# KiCad board polygonus.kicad_pcb (continued)
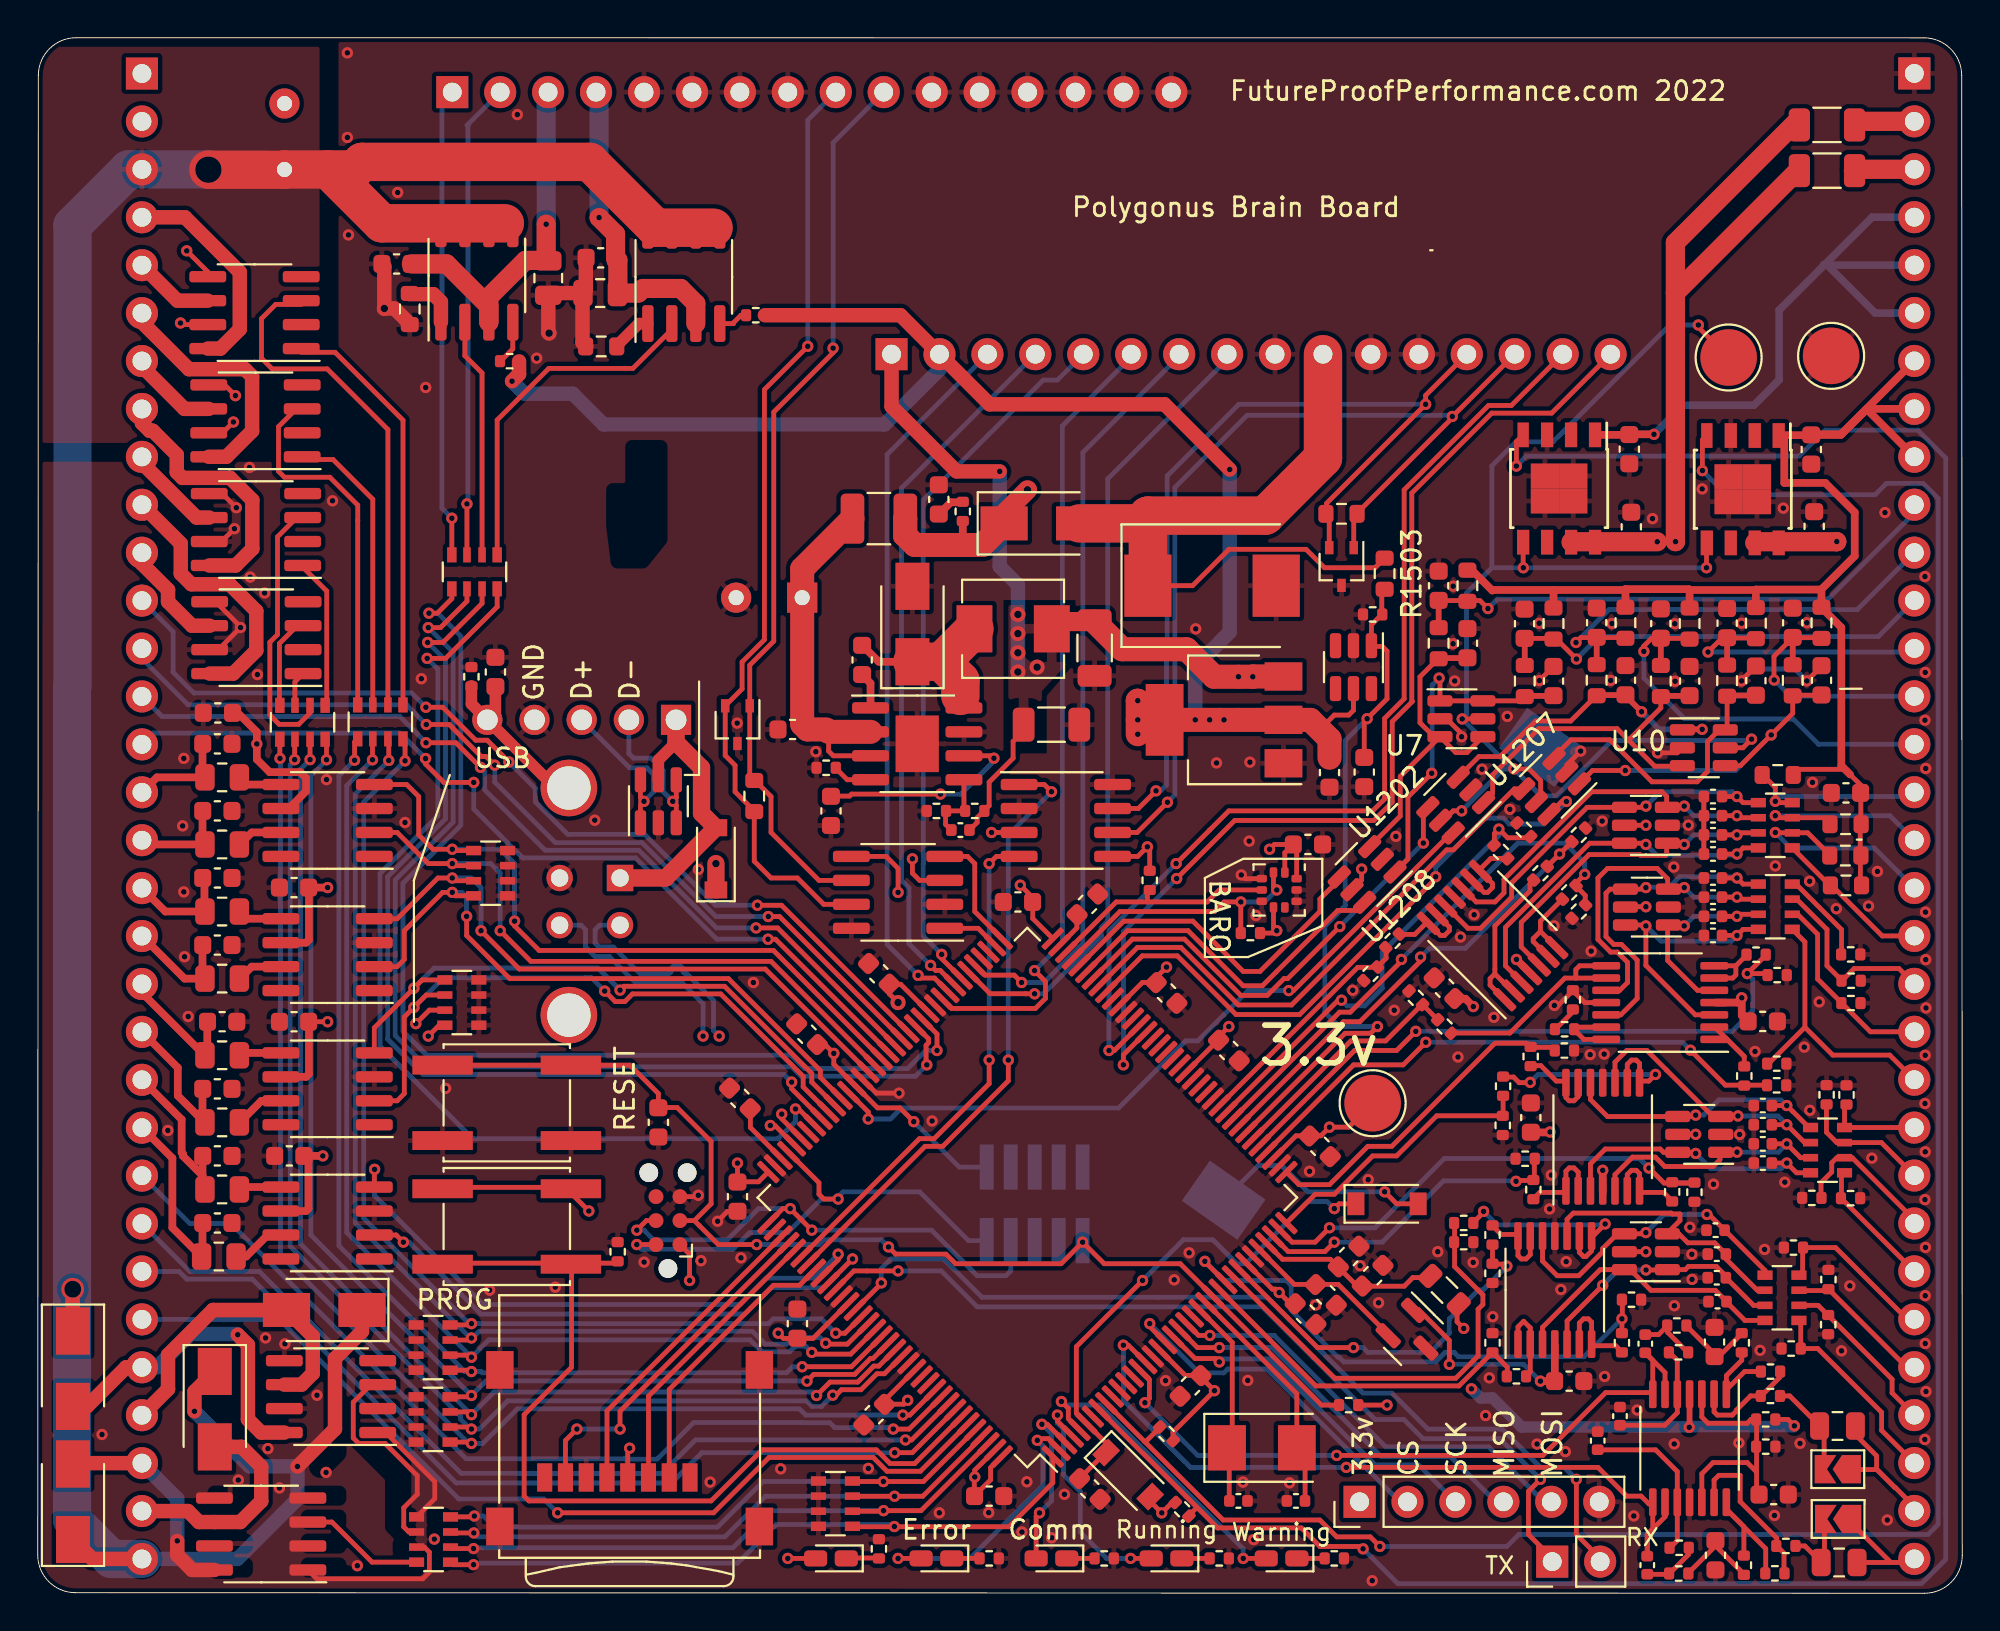
[diagram p0: board, top side]
## Library data of the parts
C1-C16 = -: LCSC: C1525; LCSC_ext: 0
C17 C1001 = -: LCSC: N/A; PN: EEH-AZF1H560B
C20 C701 C801 C901 C904 C1101 C1409 C1501 C1503-C1505 C1508-C1511 C1513 C1516 C1517 C1520 C1604 C1607 C1701 C1704 = -: LCSC: C14663; LCSC_ext: 0
C21 C22 = -: LCSC: C1630; LCSC_ext: 0
C23 C24 C905 = -: LCSC: C13533; LCSC_ext: 0
C25 C26 = -: LCSC: C1567; LCSC_ext: 0
C30 C1506 C1507 C1512 C1515 = -: LCSC: C19666; LCSC_ext: 0; PN: CGA3E2X7R1H103M080AA
C902 C1301 C1302 C1605 C1606 C1608 C1609 C1702 C1703 C1705 C1706 C1903 = -: LCSC: C57112; LCSC_ext: 0
C903 C1006 C1502 = -: LCSC: C19666; LCSC_ext: 0
C906 C1004 = -: LCSC: C13585; LCSC_ext: 0
C1002 C1015-C1018 C1523 = -: LCSC: C15849; LCSC_ext: 0
C1204 C1205 C1207 C1208 C1401-C1408 = -: LCSC: C1588; LCSC_ext: 0
C1518 C1519 = -: LCSC: C23630; LCSC_ext: 0
C1521 C1522 = -: LCSC: C1562; LCSC_ext: 0
C1901 C1902 = -: LCSC: C53175; LCSC_ext: 0
D1 D2 = -: LCSC: C152727; LCSC_ext: 1
D3 D4 D1503 = -: LCSC: C8598; LCSC_ext: 0
D101-D104 D901 D903 = -: LCSC: C8678; LCSC_ext: 0
D1001 = -: LCSC: C151281; LCSC_ext: 1; possible_not_ext: 1
D1501 U1-U4 = -: LCSC: C85364; LCSC_ext: 0
D1502 D1506 = -: LCSC: C72043; LCSC_ext: 0
D1504 = -: LCSC: C2286; LCSC_ext: 0
D1505 = -: LCSC: C72041; LCSC_ext: 0
D1507 = -: LCSC: C72038; LCSC_ext: 0
F101 F102 = -: LCSC: C207035; LCSC_ext: 1; PN: 1206L012WR
FB1501 = -: LCSC: C1015; LCSC_ext: 0
J1 = -: LCSC: C164170; PN: 47219-2001
J2 J105 J107 J108 J1505 JP1 JP2 = -: LCSC: N/A
J1501 = -: LCSC: N/A; PN: 5787834-1
J1502 = -: LCSC: N/A; PN: FTSH-105-01-F-DV-007-K
J1504 = -: LCSC: N/A; PN: UB-20PMFP-LC7002
L1001 = -: LCSC: C408412; LCSC_ext: 1; possible_not_ext: 1
L1002 = -: LCSC: C36828; LCSC_ext: 1; PN: SRN3015TA-2R2M; possible_not_ext: 1
R1-R4 R9-R12 R17-R20 R25-R28 = -: LCSC: C25908; LCSC_ext: 0
R5-R8 R13-R16 R21-R24 R29-R32 R905 R1006 R1007 R1105 R1107 R1502 R1504 R1513 = -: LCSC: C25744; LCSC_ext: 0
R33 R1004 R1106 R1108 = -: LCSC: C22787; LCSC_ext: 0
R34 R35 = -: LCSC: C17673; LCSC_ext: 0
R38 R40 R46 R47 = -: LCSC: C25779; LCSC_ext: 0
R39 R41 = -: LCSC: C11702; LCSC_ext: 0
R42 R43 = -: LCSC: C25752; LCSC_ext: 0
R44 R45 R1501 = -: LCSC: C25741; LCSC_ext: 0
R701-R704 R801-R804 R901-R904 = -: LCSC: C25790; LCSC_ext: 0
R906 = -: LCSC: C25086; LCSC_ext: 0
R907 = -: LCSC: C25752
R908 = -: LCSC: C36871
R1101-R1104 R1201-R1204 R1401-R1408 = -: LCSC: C13167; LCSC_ext: 0
R1503 = -: LCSC: C23254; LCSC_ext: 0
R1508-R1512 = -: LCSC: C25104
R1601-R1604 R1701-R1704 = -: LCSC: C17408; LCSC_ext: 0
R1901 R1902 = -: LCSC: C25741
R1903 R1904 = -: LCSC: C25790
RN201 RN202 RN301 RN302 RN501 RN502 RN1601 RN1701 = -: LCSC: C20197; LCSC_ext: 0
RN701 RN801 RN901 RN1301 = -: LCSC: C29718; LCSC_ext: 0; PN: CAT16-1002F4LF
RN1101 = -: LCSC: C29718; LCSC_ext: 0; PN: CAT16-473J4LF
SW1501 SW1502 = -: LCSC: C318887; LCSC_ext: 1
U5 U701 U801 U901 U1101 = -: LCSC: C50282; LCSC_ext: 1; PN: MCP6004T-I/ST; possible_not_ext: 1
U6 U904 = -: LCSC: C38695; LCSC_ext: 0
U8 = -: LCSC: C130016; LCSC_ext: 1; PN: REF3033
U9 = -: LCSC: C94049; LCSC_ext: 1
U201 U202 U301 U302 U501 U502 = -: LCSC: N/A; PN: VNLD5160TR-E
U902 = -: LCSC: C6186; LCSC_ext: 0
U903 = -: LCSC: C187824; LCSC_ext: 1; possible_not_ext: 0
U1004 U1005 = -: LCSC: N/A; PN: TLS115D0E
U1102 U1103 = -: LCSC: C152451; LCSC_ext: 1; PN: BTS4175; possible_not_ext: 1
U1202 U1207 U1208 = -: LCSC: C10429; LCSC_ext: 1; PN: 74HC2G17GW
U1501 = -: LCSC: C117816; PN: STM32F767ZIT6
U1502 = -: LCSC: C7519; LCSC_ext: 1; PN: USBLC6-2; possible_not_ext: 1
U1602 U1603 U1701 U1702 = -: LCSC: C20551; LCSC_ext: 1; PN: TC4427EOA; possible_not_ext: 1
Y1501 = -: LCSC: C115962; LCSC_ext: 0

## Footprints (pads in the part's own frame, mm; a bottom-side part is the same pattern mirrored in y, then rotated)
BatteryHolder_Keystone_1060_1x2032
  rect 2.6x3.6 smd: 1(-14.65,0) 2(14.65,0)
C_0402_1005Metric
  rrect 0.56x0.62 smd: 1(-0.48,0) 2(0.48,0)
C_0603_1608Metric
  rrect 0.9x0.95 smd: 1(-0.775,0) 2(0.775,0)
C_0805_2012Metric
  rrect 1x1.45 smd: 1(-0.95,0) 2(0.95,0)
C_1206_3216Metric
  rrect 1.15x1.8 smd: 1(-1.475,0) 2(1.475,0)
conn_5_2.5mm
  rect 1.6x1.6 hole 1.1: 1(-5,0)
  round 1.6 hole 1.1: 2(-2.5,0) 3(0,0) 4(2.5,0) 5(5,0)
CP_Radial_D8.0mm_P3.50mm
  rect 1.6x1.6 hole 0.8: 1(0,0)
  round 1.6 hole 0.8: 2(3.5,0)
Crystal_SMD_5032-2Pin_5.0x3.2mm
  rect 2x2.4 smd: 1(-1.85,0) 2(1.85,0)
D_SMA
  rect 2.5x1.8 smd: 1(-2,0) 2(2,0)
D_SMC
  rect 2.5x3.3 smd: 1(-3.4,0) 2(3.4,0)
D_SOD-123
  rect 0.9x1.2 smd: 1(-1.65,0) 2(1.65,0)
Infineon_PG-DSO-8-43
  rect 1.31x0.65 smd: 1(-2.845,1.905) 2(-2.845,0.635) 3(-2.845,-0.635) 5(2.845,-1.905) 6(2.845,-0.635) 7(2.845,0.635) 8(2.845,1.905)
  rect 1.31x0.6 smd: 4(-2.845,-1.905)
  rect 1.325x1.5 smd: 9(-0.662,0.75) 9(-0.662,-0.75) 9(0.662,0.75) 9(0.662,-0.75)
L_0805_2012Metric
  rrect 0.875x1.2 smd: 1(-1.062,0) 2(1.062,0)
L_1210_3225Metric
  rrect 1.25x2.65 smd: 1(-1.4,0) 2(1.4,0)
LED_0603_1608Metric_Castellated
  rrect 1.225x0.85 smd: 1(-0.812,0) 2(0.812,0)
LQFP-144_20x20mm_P0.5mm
  rrect 1.475x0.3 smd: 1(-10.662,8.75) 2(-10.662,8.25) 3(-10.663,7.75) 4(-10.662,7.25) 5(-10.662,6.75) 6(-10.662,6.25) 7(-10.662,5.75) 8(-10.662,5.25) 9(-10.662,4.75) 10(-10.662,4.25) 11(-10.662,3.75) 12(-10.662,3.25) 13(-10.662,2.75) 14(-10.662,2.25) 15(-10.662,1.75) 16(-10.663,1.25) 17(-10.662,0.75) 18(-10.662,0.25) 19(-10.662,-0.25) 20(-10.662,-0.75) 21(-10.663,-1.25) 22(-10.662,-1.75) 23(-10.662,-2.25) 24(-10.662,-2.75) 25(-10.662,-3.25) 26(-10.662,-3.75) 27(-10.662,-4.25) 28(-10.662,-4.75) 29(-10.662,-5.25) 30(-10.662,-5.75) 31(-10.662,-6.25) 32(-10.662,-6.75) 33(-10.662,-7.25) 34(-10.663,-7.75) 35(-10.662,-8.25) 36(-10.662,-8.75) 73(10.662,-8.75) 74(10.662,-8.25) 75(10.663,-7.75) 76(10.662,-7.25) 77(10.662,-6.75) 78(10.662,-6.25) 79(10.662,-5.75) 80(10.662,-5.25) 81(10.662,-4.75) 82(10.662,-4.25) 83(10.662,-3.75) 84(10.662,-3.25) 85(10.662,-2.75) 86(10.662,-2.25) 87(10.662,-1.75) 88(10.663,-1.25) 89(10.662,-0.75) 90(10.662,-0.25) 91(10.662,0.25) 92(10.662,0.75) 93(10.663,1.25) 94(10.662,1.75) 95(10.662,2.25) 96(10.662,2.75) 97(10.662,3.25) 98(10.662,3.75) 99(10.662,4.25) 100(10.662,4.75) 101(10.662,5.25) 102(10.662,5.75) 103(10.662,6.25) 104(10.662,6.75) 105(10.662,7.25) 106(10.663,7.75) 107(10.662,8.25) 108(10.662,8.75)
  rrect 0.3x1.475 smd: 37(-8.75,-10.662) 38(-8.25,-10.662) 39(-7.75,-10.663) 40(-7.25,-10.662) 41(-6.75,-10.662) 42(-6.25,-10.662) 43(-5.75,-10.662) 44(-5.25,-10.662) 45(-4.75,-10.662) 46(-4.25,-10.662) 47(-3.75,-10.662) 48(-3.25,-10.662) 49(-2.75,-10.662) 50(-2.25,-10.662) 51(-1.75,-10.662) 52(-1.25,-10.663) 53(-0.75,-10.662) 54(-0.25,-10.662) 55(0.25,-10.662) 56(0.75,-10.662) 57(1.25,-10.663) 58(1.75,-10.662) 59(2.25,-10.662) 60(2.75,-10.662) 61(3.25,-10.662) 62(3.75,-10.662) 63(4.25,-10.662) 64(4.75,-10.662) 65(5.25,-10.662) 66(5.75,-10.662) 67(6.25,-10.662) 68(6.75,-10.662) 69(7.25,-10.662) 70(7.75,-10.663) 71(8.25,-10.662) 72(8.75,-10.662) 109(8.75,10.662) 110(8.25,10.662) 111(7.75,10.663) 112(7.25,10.662) 113(6.75,10.662) 114(6.25,10.662) 115(5.75,10.662) 116(5.25,10.662) 117(4.75,10.662) 118(4.25,10.662) 119(3.75,10.662) 120(3.25,10.662) 121(2.75,10.662) 122(2.25,10.662) 123(1.75,10.662) 124(1.25,10.663) 125(0.75,10.662) 126(0.25,10.662) 127(-0.25,10.662) 128(-0.75,10.662) 129(-1.25,10.663) 130(-1.75,10.662) 131(-2.25,10.662) 132(-2.75,10.662) 133(-3.25,10.662) 134(-3.75,10.662) 135(-4.25,10.662) 136(-4.75,10.662) 137(-5.25,10.662) 138(-5.75,10.662) 139(-6.25,10.662) 140(-6.75,10.662) 141(-7.25,10.662) 142(-7.75,10.663) 143(-8.25,10.662) 144(-8.75,10.662)
microSD_HC_Wuerth_693072010801
  rect 0.8x1.5 smd: 1(-3.2,1.55) 2(-2.1,1.55) 3(-1,1.55) 4(0.1,1.55) 5(1.2,1.55) 6(2.3,1.55) 7(3.4,1.55) 8(4.5,1.55)
  rect 1.45x2 smd: 9(-6.875,4.15) 9(-6.875,-4.15) 9(6.875,4.15) 9(6.875,-4.15)
MWSA0503
  rect 1.9x2.5 smd: 1(2.05,0) 2(-2.05,0)
PinHeader_1x02_P2.54mm_Vertical
  rect 1.7x1.7 hole 1: 1(0,0)
  oval 1.7x1.7 hole 1: 2(0,-2.54)
PinHeader_1x06_P2.54mm_Vertical
  rect 1.7x1.7 hole 1: 1(0,0)
  oval 1.7x1.7 hole 1: 2(0,-2.54) 3(0,-5.08) 4(0,-7.62) 5(0,-10.16) 6(0,-12.7)
PinHeader_1x16_P2.54mm_Vertical
  rect 1.7x1.7 hole 1: 1(0,0)
  oval 1.7x1.7 hole 1: 2(0,-2.54) 3(0,-5.08) 4(0,-7.62) 5(0,-10.16) 6(0,-12.7) 7(0,-15.24) 8(0,-17.78) 9(0,-20.32) 10(0,-22.86) 11(0,-25.4) 12(0,-27.94) 13(0,-30.48) 14(0,-33.02) 15(0,-35.56) 16(0,-38.1)
PinHeader_1x32_P2.54mm_Vertical
  rect 1.7x1.7 hole 1: 1(0,0)
  oval 1.7x1.7 hole 1: 2(0,-2.54) 3(0,-5.08) 4(0,-7.62) 5(0,-10.16) 6(0,-12.7) 7(0,-15.24) 8(0,-17.78) 9(0,-20.32) 10(0,-22.86) 11(0,-25.4) 12(0,-27.94) 13(0,-30.48) 14(0,-33.02) 15(0,-35.56) 16(0,-38.1) 17(0,-40.64) 18(0,-43.18) 19(0,-45.72) 20(0,-48.26) 21(0,-50.8) 22(0,-53.34) 23(0,-55.88) 24(0,-58.42) 25(0,-60.96) 26(0,-63.5) 27(0,-66.04) 28(0,-68.58) 29(0,-71.12) 30(0,-73.66) 31(0,-76.2) 32(0,-78.74)
PinHeader_2x05_P1.27mm_Vertical_SMD
  rect 2.4x0.74 smd: 1(-1.95,2.54) 2(1.95,2.54) 3(-1.95,1.27) 4(1.95,1.27) 5(-1.95,0) 6(1.95,0) 7(-1.95,-1.27) 8(1.95,-1.27) 9(-1.95,-2.54) 10(1.95,-2.54)
R_0402_1005Metric
  rrect 0.54x0.64 smd: 1(-0.51,0) 2(0.51,0)
R_0603_1608Metric
  rrect 0.8x0.95 smd: 1(-0.825,0) 2(0.825,0)
R_0805_2012Metric
  rrect 1.025x1.4 smd: 1(-0.912,0) 2(0.912,0)
R_1206_3216Metric
  rrect 1.125x1.75 smd: 1(-1.462,0) 2(1.462,0)
R_Array_Convex_4x0603
  rect 0.8x0.5 smd: 1(-0.9,1.2) 4(-0.9,-1.2) 5(0.9,-1.2) 8(0.9,1.2)
  rect 0.8x0.4 smd: 2(-0.9,0.4) 3(-0.9,-0.4) 6(0.9,-0.4) 7(0.9,0.4)
SOIC-8-1EP_3.9x4.9mm_P1.27mm_EP2.29x3mm
  rrect 0.92x1.21 smd: (-0.57,0.75) (-0.57,-0.75) (0.57,0.75) (0.57,-0.75)
  rrect 1.95x0.6 smd: 1(-2.475,1.905) 2(-2.475,0.635) 3(-2.475,-0.635) 4(-2.475,-1.905) 5(2.475,-1.905) 6(2.475,-0.635) 7(2.475,0.635) 8(2.475,1.905)
  rect 2.29x3 smd: 9(0,0)
SOIC-8_3.9x4.9mm_P1.27mm
  rrect 1.95x0.6 smd: 1(-2.475,1.905) 2(-2.475,0.635) 3(-2.475,-0.635) 4(-2.475,-1.905) 5(2.475,-1.905) 6(2.475,-0.635) 7(2.475,0.635) 8(2.475,1.905)
SolderJumper-2_P1.3mm_Open_TrianglePad1.0x1.5mm
  custom 1.5x1.5 smd: 1(-0.725,0)
  custom 1.15x1.5 smd: 2(0.725,0)
SOT-23
  rrect 1.475x0.6 smd: 1(-0.938,0.95) 2(-0.938,-0.95) 3(0.938,0)
SOT-23-6
  rrect 1.325x0.6 smd: 1(-1.137,0.95) 2(-1.137,0) 3(-1.137,-0.95) 4(1.137,-0.95) 5(1.137,0) 6(1.137,0.95)
SOT-223-3_TabPin2
  rect 2x1.5 smd: 1(-3.15,2.3) 2(-3.15,0) 3(-3.15,-2.3)
  rect 2x3.8 smd: 2(3.15,0)
SOT-323_SC-70
  rect 0.7x0.45 smd: 1(-1,0.65) 2(-1,-0.65) 3(1,0)
ST_HLGA-10_2.5x2.5mm_P0.6mm_LayoutBorder3x2y
  rrect 0.55x0.4 smd: 1(-0.925,0.3) 2(-0.925,-0.3) 6(0.925,-0.3) 7(0.925,0.3)
  rrect 0.4x0.55 smd: 3(-0.6,-0.925) 4(0,-0.925) 5(0.6,-0.925) 8(0.6,0.925) 9(0,0.925) 10(-0.6,0.925)
SW_SPST_EVQQ2
  rect 3.2x1 smd: 1(-3.4,2) 1(3.4,2) 2(-3.4,-2) 2(3.4,-2)
Tag-Connect_TC2030-IDC-NL_2x03_P1.27mm_Vertical
  round 0.991 hole 0.991 unplated: (-2.54,0) (2.54,1.016) (2.54,-1.016)
  round 0.787 smd: 1(-1.27,-0.635) 2(-1.27,0.635) 3(0,-0.635) 4(0,0.635) 5(1.27,-0.635) 6(1.27,0.635)
TestPoint_Pad_D3.0mm
  round 3 smd: 1(0,0)
TSSOP-14_4.4x5mm_P0.65mm
  rrect 1.475x0.4 smd: 1(-2.862,1.95) 2(-2.862,1.3) 3(-2.862,0.65) 4(-2.862,0) 5(-2.862,-0.65) 6(-2.862,-1.3) 7(-2.862,-1.95) 8(2.862,-1.95) 9(2.862,-1.3) 10(2.862,-0.65) 11(2.862,0) 12(2.862,0.65) 13(2.862,1.3) 14(2.862,1.95)
USB_B_TE_5787834_Vertical
  rect 1.4x1.4 hole 0.92: 1(0,0)
  round 1.4 hole 0.92: 2(-2.5,0) 3(-2.5,-3.2) 4(0,-3.2)
  round 3 hole 2.3: 5(-7.27,-2.71) 5(4.77,-2.71)

## Nets
+3V3: C20.1 C903.1 C1503.2 C1504.2 C1505.2 C1506.2 C1507.2 C1508.2 C1509.2 C1510.2 C1511.2 C1512.2 C1513.2 C1515.2 D4.2 D1501.5 D1502.2 FB1501.1 J1.4 J4.1 J6.2 J108.1 J1502.1 J1505.1 R39.1 R40.2 R41.1 R1006.2 R1007.2 R1105.2 R1107.2 R1502.2 SW1502.2 U5.4 U6.5 U9.1 U9.6 U9.10 U902.2 U904.5 U1501.17 U1501.30 U1501.39 U1501.52 U1501.62 U1501.72 U1501.84 U1501.95 U1501.108 U1501.121 U1501.131 U1501.143 U1501.144
+5V: C701.1 C801.1 C901.1 C905.1 C906.1 C1004.1 C1101.1 C1604.2 C1607.2 C1701.2 C1704.2 D1503.1 J6.1 J107.1 L1001.2 R908.2 U1.5 U2.5 U3.5 U4.5 U6.3 U7.5 U8.1 U10.5 U701.4 U801.4 U901.4 U902.3 U904.3 U1004.5 U1005.5 U1101.4 U1202.5 U1207.5 U1208.5 U1602.6 U1603.6 U1701.6 U1702.6
/5V_SENSOR_1: C1016.1 C1409.2 J3.7 J3.8 J3.9 R1101.1 R1102.1 R1103.1 R1104.1 R1201.1 R1203.1 R1401.1 R1403.1 R1405.1 R1407.1 U1004.1
/5V_SENSOR_2: C1018.1 J3.4 J3.5 J3.6 U1005.1
/12V_MR: C17.1 D101.1 D102.1 D103.1 D104.1 J5.3 J5.32 U1102.5 U1102.6 U1102.7 U1102.8 U1103.5 U1103.6 U1103.7 U1103.8
/12V_PROT: C1015.1 C1017.1 D903.1 F101.2 F102.1 L1002.1 R906.1 U1004.7 U1004.8 U1005.7 U1005.8
/12V_RAW: D903.2 D1001.1 J6.10 R1503.1
/AV1: J3.30 R701.1 RN701.1
/AV2: J3.29 R702.1 RN701.2
/AV3: J3.28 R703.1 RN701.3
/AV4: J3.27 R704.1 RN701.4
/AV5: J3.26 R801.1 RN801.1
/AV6: J3.25 R802.1 RN801.2
/AV7: J3.24 R803.1 RN801.3
/AV8: J3.23 R804.1 RN801.4
/AV9: J3.22 R901.1 RN901.1
/AV10: J3.21 R902.1 RN901.2
/AV11: J3.20 R903.1 RN901.3
/mcu/5V_SENSOR_1_PG: R1006.1 U1004.4 U1501.9
/mcu/5V_SENSOR_2_PG: R1007.1 U1005.4 U1501.8
/mcu/12V_DIVIDED: C1523.1 D1501.1 R1503.2 R1504.1 U1501.43
/mcu/AV1: R1.1 R5.2 U1501.26
/mcu/AV2: R2.1 R6.2 U1501.27
/mcu/AV3: R3.1 R7.2 U1501.28
/mcu/AV4: R4.1 R8.2 U1501.29
/mcu/AV5: R9.1 R13.2 U1501.34
/mcu/AV6: R10.1 R14.2 U1501.35
/mcu/AV7: R11.1 R15.2 U1501.36
/mcu/AV8: R12.1 R16.2 U1501.37
/mcu/AV9: R17.1 R21.2 U1501.40
/mcu/AV10: R18.1 R22.2 U1501.41
/mcu/AV11: R19.1 R23.2 U1501.42
/mcu/VDDA: C1501.1 C1502.1 FB1501.2 U1501.33
GND: BT1.2 C1.2 C2.2 C3.2 C4.2 C5.2 C6.2 C7.2 C8.2 C9.2 C10.2 C11.2 C12.2 C13.2 C14.2 C15.2 C16.2 C17.2 C20.2 C21.1 C22.1 C25.1 C26.1 C30.2 C701.2 C801.2 C901.2 C902.2 C903.2 C906.2 C1001.2 C1002.2 C1004.2 C1006.2 C1015.2 C1016.2 C1017.2 C1018.2 C1101.2 C1204.2 C1205.2 C1207.2 C1208.2 C1301.2 C1302.2 C1401.2 C1402.2 C1403.2 C1404.2 C1405.2 C1406.2 C1407.2 C1408.2 C1409.1 C1501.2 C1502.2 C1503.1 C1504.1 C1505.1 C1506.1 C1507.1 C1508.1 C1509.1 C1510.1 C1511.1 C1512.1 C1513.1 C1515.1 C1516.2 C1517.1 C1518.2 C1519.2 C1520.2 C1521.2 C1522.2 C1523.2 C1604.1 C1605.2 C1606.2 C1607.1 C1608.2 C1609.2 C1701.1 C1702.2 C1703.2 C1704.1 C1705.2 C1706.2 C1903.1 D1.3 D2.3 D901.2 D1001.2 D1501.2 J1.6 J1.9 J3.1 J4.5 J5.1 J5.2 J6.9 J6.11 J6.12 J7.5 J7.6 J7.7 J7.8 J7.11 J7.12 J7.13 J7.14 J7.15 J7.16 J105.1 J1501.4 J1502.3 J1502.5 J1502.9 J1504.4 J1505.6 R5.1 R6.1 R7.1 R8.1 R13.1 R14.1 R15.1 R16.1 R21.1 R22.1 R23.1 R24.1 R29.1 R30.1 R31.1 R32.1 R34.2 R35.2 R38.2 R701.2 R702.2 R703.2 R704.2 R801.2 R802.2 R803.2 R804.2 R901.2 R902.2 R903.2 R904.2 R905.2 R907.2 R1106.2 R1108.2 R1501.2 R1504.2 R1508.1 R1509.1 R1510.1 R1511.1 R1512.1 R1513.2 RN202.1 RN202.2 RN202.3 RN202.4 RN302.1 RN302.2 RN302.3 RN302.4 RN502.1 RN502.2 RN502.3 RN502.4 RN1601.1 RN1601.2 RN1601.3 RN1601.4 RN1701.1 RN1701.2 RN1701.3 RN1701.4 SW1501.2 U1.2 U2.2 U3.2 U4.2 U5.11 U6.2 U6.8 U7.2 U8.3 U9.3 U9.5 U9.8 U9.9 U10.2 U201.5 U201.7 U202.5 U202.7 U301.5 U301.7 U302.5 U302.7 U501.5 U501.7 U502.5 U502.7 U701.11 U801.11 U901.11 U902.1 U903.7 U903.9 U904.2 U904.8 U1004.3 U1004.9 U1005.3 U1005.9 U1101.11 U1202.2 U1207.2 U1208.2 U1501.16 U1501.31 U1501.38 U1501.48 U1501.51 U1501.61 U1501.83 U1501.94 U1501.107 U1501.120 U1501.130 U1502.2 U1602.3 U1603.3 U1701.3 U1702.3
/AT1: J3.19 R1101.2 RN1101.1
/AT2: J3.18 R1102.2 RN1101.2
/AT3: J3.17 R1103.2 RN1101.3
/AT4: J3.16 R1104.2 RN1101.4
/CAN2+: D2.2 J7.9 R33.1 U6.7
/CAN2-: D2.1 J7.10 R33.2 U6.6
/CAN+: D1.2 J6.13 R1004.1 U904.7
/CAN-: D1.1 J6.14 R1004.2 U904.6
/DIGITAL_1: C1401.1 J3.15 R1401.2 R1402.2
/DIGITAL_2: C1403.1 J3.14 R1403.2 R1404.2
/DIGITAL_3: C1405.1 J3.13 R1405.2 R1406.2
/DIGITAL_4: C1407.1 J3.12 R1407.2 R1408.2
/DIGITAL_5: C1204.1 J3.11 R1201.2 R1202.2
/DIGITAL_6: C1207.1 J3.10 R1203.2 R1204.2
/ETB1_DIR: J6.5 U1501.79
/ETB1_DIS: J6.4 U1501.80
/ETB1_PWM: J6.3 U1501.81
/ETB2_DIR: J6.8 U1501.78
/ETB2_DIS: J6.7 U1501.77
/ETB2_PWM: J6.6 U1501.82
/highside_quad/IN1: RN1301.4 U1501.101
/highside_quad/IN2: RN1301.3 U1501.100
/highside_quad/IN3: RN1301.2 U1501.86
/highside_quad/IN4: RN1301.1 U1501.85
/HS1: C1301.1 J7.4 R34.1 U1102.3
/HS2: C1302.1 J7.3 R35.1 U1103.3
/HS3: J7.2 RN1301.7
/HS4: J7.1 RN1301.8
/IGN1: C1605.1 J5.23 R1601.1
/ign1/IN1: RN1601.8 U1501.118 U1602.2
/ign1/IN2: RN1601.7 U1501.117 U1602.4
/ign1/IN3: RN1601.6 U1501.99 U1603.2
/ign1/IN4: RN1601.5 U1501.98 U1603.4
/IGN2: C1606.1 J5.22 R1602.1
/ign2/IN1: RN1701.8 U1501.97 U1701.2
/ign2/IN2: RN1701.7 U1501.93 U1701.4
/ign2/IN3: RN1701.6 U1501.92 U1702.2
/ign2/IN4: RN1701.5 U1501.91 U1702.4
/IGN3: C1608.1 J5.21 R1603.1
/IGN4: C1609.1 J5.20 R1604.1
/IGN5: C1702.1 J5.19 R1701.1
/IGN6: C1703.1 J5.18 R1702.1
/IGN7: C1705.1 J5.17 R1703.1
/IGN8: C1706.1 J5.16 R1704.1
/IGN9: J5.15 U1501.90
/IGN10: J5.14 U1501.89
/IGN11: J5.13 U1501.88
/IGN12: J5.12 U1501.87
/knock/FILTERED_1: C23.2 U5.6 U5.7 U1501.14
/knock/FILTERED_2: C24.2 U5.8 U5.9 U1501.15
/knock/V_mid: C1903.2 R38.1 R40.1 U5.3 U5.12
/KNOCK_1: C1901.2 J3.31 JP1.1
/KNOCK_2: C1902.2 J3.32 JP2.1
/lowside_quad1/IN1: RN201.4 RN202.8 U1501.123
/lowside_quad1/IN2: RN201.3 RN202.7 U1501.124
/lowside_quad1/IN3: RN201.2 RN202.6 U1501.125
/lowside_quad1/IN4: RN201.1 RN202.5 U1501.126
/lowside_quad2/IN1: RN301.4 RN302.8 U1501.127
/lowside_quad2/IN2: RN301.3 RN302.7 U1501.128
/lowside_quad2/IN3: RN301.2 RN302.6 U1501.129
/lowside_quad2/IN4: RN301.1 RN302.5 U1501.134
/lowside_quad4/IN1: RN501.4 RN502.8 U1501.140
/lowside_quad4/IN2: RN501.3 RN502.7 U1501.141
/lowside_quad4/IN3: RN501.2 RN502.6 U1501.142
/lowside_quad4/IN4: RN501.1 RN502.5 U1501.1
/LS1: J5.4 U201.8
/LS2: J5.5 U201.6
/LS3: J5.6 U202.8
/LS4: J5.7 U202.6
/LS5: J5.8 U301.8
/LS6: J5.9 U301.6
/LS7: J5.10 U302.8
/LS8: J5.11 U302.6
/LS9: J5.24 U1501.135
/LS10: J5.25 U1501.136
/LS11: J5.26 U1501.137
/LS12: J5.27 U1501.139
/LS13: D103.2 J5.28 U501.8
/LS14: D101.2 J5.29 U501.6
/LS15: D104.2 J5.30 U502.8
/LS16: D102.2 J5.31 U502.6
/mcu/AT1: R25.1 R29.2 U1501.44
/mcu/AT2: R26.1 R30.2 U1501.45
/mcu/AT3: R27.1 R31.2 U1501.46
/mcu/AT4: R28.1 R32.2 U1501.47
/mcu/AUX_SPI_CS: J1505.2 U1501.18
/mcu/AUX_SPI_MISO: J1505.4 U1501.20
/mcu/AUX_SPI_MOSI: J1505.5 U1501.21
/mcu/AUX_SPI_SCK: J1505.3 U1501.19
/mcu/BARO_SCL: R41.2 U9.2 U1501.69
/mcu/BARO_SDA: R39.2 U9.4 U1501.70
/mcu/BOOT0: R1513.1 SW1502.1 U1501.138
/mcu/CAN2_RX: U6.4 U1501.73
/mcu/CAN2_TX: U6.1 U1501.74
/mcu/CAN_RX: U904.4 U1501.114
/mcu/CAN_TX: U904.1 U1501.115
/mcu/DIGITAL1: U1202.6 U1501.96
/mcu/DIGITAL2: U1207.6 U1501.64
/mcu/DIGITAL3: U1207.4 U1501.65
/mcu/DIGITAL4: U1208.6 U1501.67
/mcu/DIGITAL5: U1202.4 U1501.66
/mcu/DIGITAL6: U1208.4 U1501.68
/mcu/LED1: D1504.2 U1501.2
/mcu/LED2: D1505.2 U1501.3
/mcu/LED3: D1506.2 U1501.4
/mcu/LED4: D1507.2 U1501.5
/mcu/nRESET: C1517.2 J4.3 J1502.10 R1502.1 SW1501.1 U1501.25
/mcu/SD_CS: J1.2 U1501.116
/mcu/SD_MISO: J1.7 U1501.112
/mcu/SD_MOSI: J1.3 U1501.113
/mcu/SD_SCK: J1.5 U1501.111
/mcu/SWCLK: J4.4 J1502.4 U1501.109
/mcu/SWDIO: J4.2 J1502.2 U1501.105
/mcu/UART_RX: J2.2 U1501.122
/mcu/UART_TX: J2.1 U1501.119
/quad_analog3/IN4: R904.1 RN901.4
/quad_analog3/OUT4: R20.1 R24.2
/USB_D+: J1501.3 J1504.3 U1501.104 U1502.1 U1502.6
/USB_D-: J1501.2 J1504.2 U1501.103 U1502.3 U1502.4
/USB_SHIELD: C1516.1 J1501.5 J1504.5 R1501.1
/VR1+: J6.16 U1501.58
/VR2+: J6.15 U1501.59
Net-(BT1-Pad1): BT1.1 D3.2
Net-(C1-Pad1): C1.1 RN701.8 U1.6 U701.3
Net-(C2-Pad1): C2.1 RN701.7 U1.1 U701.5
Net-(C3-Pad1): C3.1 RN701.6 U1.3 U701.10
Net-(C4-Pad1): C4.1 RN701.5 U1.4 U701.12
Net-(C5-Pad1): C5.1 RN801.8 U2.6 U801.3
Net-(C6-Pad1): C6.1 RN801.7 U2.1 U801.5
Net-(C7-Pad1): C7.1 RN801.6 U2.3 U801.10
Net-(C8-Pad1): C8.1 RN801.5 U2.4 U801.12
Net-(C9-Pad1): C9.1 RN901.8 U3.6 U901.3
Net-(C10-Pad1): C10.1 RN901.7 U3.1 U901.5
Net-(C11-Pad1): C11.1 RN901.6 U3.3 U901.10
Net-(C12-Pad1): C12.1 RN901.5 U3.4 U901.12
Net-(C13-Pad1): C13.1 RN1101.8 U4.6 U1101.3
Net-(C14-Pad1): C14.1 RN1101.7 U4.1 U1101.5
Net-(C15-Pad1): C15.1 RN1101.6 U4.3 U1101.10
Net-(C16-Pad1): C16.1 RN1101.5 U4.4 U1101.12
Net-(C21-Pad2): C21.2 R42.1 R44.2
Net-(C22-Pad2): C22.2 R43.1 R45.2
Net-(C23-Pad1): C23.1 R44.1 R46.2
Net-(C24-Pad1): C24.1 R45.1 R47.2
Net-(C25-Pad2): C25.2 R46.1 U5.5
Net-(C26-Pad2): C26.2 R47.1 U5.10
Net-(C30-Pad1): C30.1 D3.1 D4.1 U1501.6
Net-(C902-Pad1): C902.1 U903.6
Net-(C904-Pad1): C904.1 U903.1
Net-(C904-Pad2): C904.2 D901.1 L1001.1 U903.8
Net-(C905-Pad2): C905.2 R907.1 R908.1 U903.5
Net-(C1001-Pad1): C1001.1 C1002.1 L1002.2 U903.2 U903.3
Net-(C1006-Pad1): C1006.1 R906.2
Net-(C1205-Pad1): C1205.1 R1202.1 U10.1 U1202.3
Net-(C1208-Pad1): C1208.1 R1204.1 U7.3 U7.4 U1208.3
Net-(C1402-Pad1): C1402.1 R1402.1 U10.3 U1202.1
Net-(C1404-Pad1): C1404.1 R1404.1 U10.4 U1207.1
Net-(C1406-Pad1): C1406.1 R1406.1 U10.6 U1207.3
Net-(C1408-Pad1): C1408.1 R1408.1 U7.1 U7.6 U1208.1
Net-(C1518-Pad1): C1518.1 U1501.71
Net-(C1519-Pad1): C1519.1 U1501.106
Net-(C1520-Pad1): C1520.1 U8.2 U1501.32
Net-(C1521-Pad1): C1521.1 U1501.23 Y1501.1
Net-(C1522-Pad1): C1522.1 U1501.24 Y1501.2
Net-(C1901-Pad1): C1901.1 JP1.2 R1901.2
Net-(C1902-Pad1): C1902.1 JP2.2 R1902.2
Net-(D1502-Pad1): D1502.1 R1508.2
Net-(D1503-Pad2): D1503.2 J1501.1 J1504.1 U1502.5
Net-(D1504-Pad1): D1504.1 R1509.2
Net-(D1505-Pad1): D1505.1 R1510.2
Net-(D1506-Pad1): D1506.1 R1511.2
Net-(D1507-Pad1): D1507.1 R1512.2
Net-(F101-Pad1): F101.1 J3.2
Net-(F102-Pad2): F102.2 J3.3
Net-(R1-Pad2): R1.2 U701.1 U701.2
Net-(R2-Pad2): R2.2 U701.6 U701.7
Net-(R3-Pad2): R3.2 U701.8 U701.9
Net-(R4-Pad2): R4.2 U701.13 U701.14
Net-(R9-Pad2): R9.2 U801.1 U801.2
Net-(R10-Pad2): R10.2 U801.6 U801.7
Net-(R11-Pad2): R11.2 U801.8 U801.9
Net-(R12-Pad2): R12.2 U801.13 U801.14
Net-(R17-Pad2): R17.2 U901.1 U901.2
Net-(R18-Pad2): R18.2 U901.6 U901.7
Net-(R19-Pad2): R19.2 U901.8 U901.9
Net-(R20-Pad2): R20.2 U901.13 U901.14
Net-(R25-Pad2): R25.2 U1101.1 U1101.2
Net-(R26-Pad2): R26.2 U1101.6 U1101.7
Net-(R27-Pad2): R27.2 U1101.8 U1101.9
Net-(R28-Pad2): R28.2 U1101.13 U1101.14
Net-(R905-Pad1): R905.1 U903.4
Net-(R1105-Pad1): R1105.1 U1102.4
Net-(R1106-Pad1): R1106.1 U1102.1
Net-(R1107-Pad1): R1107.1 U1103.4
Net-(R1108-Pad1): R1108.1 U1103.1
Net-(R1601-Pad2): R1601.2 U1602.7
Net-(R1602-Pad2): R1602.2 U1602.5
Net-(R1603-Pad2): R1603.2 U1603.7
Net-(R1604-Pad2): R1604.2 U1603.5
Net-(R1701-Pad2): R1701.2 U1701.7
Net-(R1702-Pad2): R1702.2 U1701.5
Net-(R1703-Pad2): R1703.2 U1702.7
Net-(R1704-Pad2): R1704.2 U1702.5
Net-(R1901-Pad1): R1901.1 R1903.2 U5.2
Net-(R1902-Pad1): R1902.1 R1904.2 U5.13
Net-(R1903-Pad1): R42.2 R1903.1 U5.1
Net-(R1904-Pad1): R43.2 R1904.1 U5.14
Net-(RN201-Pad5): RN201.5 U201.1
Net-(RN201-Pad6): RN201.6 U201.3
Net-(RN201-Pad7): RN201.7 U202.1
Net-(RN201-Pad8): RN201.8 U202.3
Net-(RN301-Pad5): RN301.5 U301.1
Net-(RN301-Pad6): RN301.6 U301.3
Net-(RN301-Pad7): RN301.7 U302.1
Net-(RN301-Pad8): RN301.8 U302.3
Net-(RN501-Pad5): RN501.5 U501.1
Net-(RN501-Pad6): RN501.6 U501.3
Net-(RN501-Pad7): RN501.7 U502.1
Net-(RN501-Pad8): RN501.8 U502.3
Net-(RN1301-Pad5): RN1301.5 U1102.2
Net-(RN1301-Pad6): RN1301.6 U1103.2

Pads without a net: D1501 3 4 6; J1 1 8; J4 6; J1502 6 7 8; U9 7; U201 2 4; U202 2 4; U301 2 4; U302 2 4; U501 2 4; U502 2 4; U1004 2 6; U1005 2 6; U1501 7 10 11 12 13 22 49 50 53 54 55 56 57 60 63 75 76 102 110 132 133; U1602 1 8; U1603 1 8; U1701 1 8; U1702 1 8

## Via types
v1: diameter 0.599, hole 0.3, Top to Bottom, 440 vias
v2: diameter 0.8, hole 0.4, Top to Bottom, 10 vias
v3: diameter 0.6, hole 0.3, Top to Bottom, 24 vias
v4: diameter 1.2, hole 0.9, Top to Bottom, 1 via
v5: diameter 2, hole 1.4, Top to Bottom, 1 via

## Routing (per net, layer and track width the routed paths; a pad name or vN(x,y) marks a point on that pad's centre or on a via; arc(x,y) is an arc through that point)
+3V3: length 203
  Top w0.254: U904.5 58.29,39.06 v3(58.79,39.57) 58.92,39.44 58.92,38.27 ; U1501.17 60.8,11.55 61.64,11.55 61.64,11.45 v3(62.35,10.74) 60.15,8.54 60.15,8.11 ; v3(71.49,9.98) 69.95,9.98 ; U1501.143 49.65,6.52 v1(49.65,6.17) 49.62,6.14 49.62,5.15 50.49,6.01 50.49,6.66 U1501.144 ; 67.43,46.3 67.94,45.79 68.7,46.55 69.46,46.55 69.72,46.81 69.72,47.99 ; U9.6 65.48,35.29 v1(65.65,35.12) 65.52,34.99 64.74,34.99 ; 66.51,39.69 65.52,39.69 v1(65.27,39.44) ; 66.51,39.69 66.7,39.5 U9.10 ; 66.51,39.69 66.08,39.26 U9.1 ; v1(52.06,37.53) 52.72,36.87 52.72,35.76 U1501.72 ; v1(29.2,20.26) 28.25,21.21 SW1502.2 28.18,21.52 21.53,21.52 SW1502.2 ; v3(63.11,30.04) 62.55,29.48 62.55,29.33 62.55,29.33 U1501.52 ; J1.4 31.26,7.59 v1(31.36,7.69) ; v1(34.54,16.58) 34.54,17.98 J4.1 ; U1501.62 58.53,32.38 59.25,32.38 59.25,32.63 v3(59.81,33.19) ; U1501.131 44.87,10.23 44.87,10.02 45.89,10.02 v1(46.09,10.23) ; v3(93.08,8.87) 92.74,9.21 92.04,9.21 ; v1(45.59,37.15) 45.59,38.42 44.95,39.06 U6.5 ; U1501.30 65.42,16.12 65.6,16.12 v3(65.78,15.94) 66.36,15.36 66.62,15.36 ; J108.1 69.46,24.71 v3(68.45,24.71) 67.99,24.25 66.67,24.25 U1501.39 ; v1(75.56,14.04) 75.2,14.39 75.2,15.41 ; 41.32,29.08 41.72,29.08 v1(42.18,28.62) 42.18,28.04 U1501.95 44.5,25.73 45.68,25.73 v1(46.42,25) ; v2(45.59,31.31) 45.13,31.77 45.13,32.28 45.73,32.28 U1501.84 ; D4.2 58.94,4.87 v1(59.56,4.26) 60.09,4.79 60.29,4.79 ; U1501.121 41.07,13.51 39.51,13.51 v1(39.24,13.79) ; U1501.108 38.19,21.81 37.08,21.81 v1(37.08,22.8) ; D1502.2 v1(39.74,1.85)
  Top w0.305: 87.52,10.64 87.52,8.82 v3(87.51,8.8)
  Top w0.762: v1(63.16,59.57) 59.7,63.02 50.44,63.02 J6.2 45.71,67.75 38.53,67.75 ; 25.5,65.3 25.5,64.62 v1(25.13,64.25)
  Top w1.27: 68.45,44.29 68.45,45.28 67.43,46.3 U902.2 U902.2 59.3,46.3 v1(58.29,47.31) v1(58.29,46.3) v1(58.29,45.54)
  Bottom w0.254: J1502.1 48.82,22.59 v1(46.42,25)
  Bottom w0.61: v3(93.08,8.87) 93.04,8.83 87.54,8.83 v3(87.51,8.8) 87.49,8.82 78.62,8.82 77.09,10.35 76.45,10.35 v3(75.97,10.84)
  Bottom w0.762: v1(63.16,59.57) 63.16,50.95 61.33,49.13 v1(61.33,46.3) v1(62.86,46.3) ; J6.2 47.78,64.87 44.87,61.96 29.98,61.96 28.35,63.59 25.79,63.59 v1(25.13,64.25)
  vias: v1(62.1,46.3)
+5V: length 169.6
  Top w0.254: v1(88.42,54.36) 88.42,55.66 U1004.5 ; v1(87.99,67.23) 87.99,67.11 J107.1 ; v1(78.71,54.36) 78.71,54.37 U1005.5 ; U1207.5 79.63,42.19 79.63,43.07 79.02,43.69 v1(78.22,43.69) ; 49.37,40.46 49.78,40.86 49.78,41.11 50.41,41.75 50.41,43 51.68,44.27 51.68,45.15 52.31,45.79 52.31,46.04 ; U1208.5 70.15,37.81 v1(70.15,38.39) ; 72.85,15.04 73.16,15.04 74.8,13.4 v1(74.8,12.13) ; U904.3 v1(50.54,40.33) ; U7.5 76.57,46.35 v1(75.48,46.35) ; 84.11,18.1 v1(85.21,18.1) ; v1(87.85,24.33) 86.94,24.33 86.93,24.32 ; v1(85.21,36.39) 84.18,36.39 84.16,36.37 ; v1(90.81,45.27) 90.35,44.82 U10.5 ; 74.23,40.71 74.99,41.47 v1(75.45,41.47) ; v1(46.35,38.93) 46.35,38.17 46.73,37.79 48.06,37.79 ; 84.11,40.71 v1(85.21,40.71) ; 14.37,30.3 v1(15.36,30.3)
  Top w0.406: v1(79.62,11.25) 80.36,11.25 80.38,11.27 80.38,13.12 ; v1(15.36,37.41) 14.37,37.41 14.37,34.64 14.22,34.49 U1701.6 ; 82.92,21.25 v1(82.92,22.42) ; 14.37,30.3 14.37,27.53 14.22,27.37 U1603.6 ; 12.88,20.26 14.22,20.26 14.34,20.39 14.34,22.95 14.11,23.18 v1(15.11,23.18) ; 88.92,31.31 90.04,31.31 v1(90.29,31.57) 90.29,30.64 90.62,30.31 ; U1702.6 13.3,41.6 14.21,42.51 14.21,43.23 13.92,43.52 12.29,43.52 11.61,44.2 v1(11.61,45.02) 11.61,45.66 10.6,46.67 10.33,46.67 ; v1(80.13,24.45) 80.1,24.43 79.11,24.43 ; 75.1,31.52 75.65,31.52 v1(76.07,31.1) ; 79.17,32.78 v1(78.35,33.6)
  Top w0.762: v1(50.97,59.47) 48.69,59.47 45.24,62.91 J6.1
  Top w0.914: D1503.1 v2(35.93,38.68)
  Top w1.016: L1001.2 54.12,51.51 56,51.51
  Top w1.27: 56,51.51 57.47,50.04 60.87,50.04 62.33,48.58 v1(63.62,48.58) v1(64.38,48.58) 64.4,48.6 U902.3
  Bottom w0.254: v1(79.62,11.25) 78.73,12.13 v1(74.8,12.13) ; 77.04,54.36 v1(78.71,54.36) v1(88.42,54.36) ; 77.04,54.36 77.04,59.76 78.32,61.04 80.29,61.04 86.48,67.23 v1(87.99,67.23) ; 77.04,54.36 75.71,53.02 75.71,46.58 v1(75.48,46.35) 78.13,43.69 v1(78.22,43.69) ; v1(78.22,43.69) 79.64,42.27 80.49,42.27 83.42,45.21 90.74,45.21 v1(90.81,45.27) ; v1(78.22,43.69) 77.67,43.69 v1(75.45,41.47)
  Bottom w0.762: v2(51.94,48.84) 51.94,53.46 50.97,54.42 v1(50.97,59.47)
  vias: v2(51.94,51.89) v2(51.94,50.87) v2(51.94,49.85) v2(52.95,49.09)
/5V_SENSOR_1: length 76.8
  Top w0.254: 96.6,37.52 96.57,37.55 96.57,39.1 96.57,39.1 96.57,40.75 96.6,40.79 96.6,42.83 95.76,43.67 93.28,43.67 92.98,43.38
  Top w0.406: 84.13,52.23 84.13,53.22 ; 84.13,53.22 87.48,53.22 87.53,53.18 ; 84.13,53.22 84.08,53.18 80.31,53.18 ; 96.03,43.4 95.56,43.87 95.56,51.19 94.53,52.23 94.51,52.23 94.51,53.22 ; 75.75,54.19 76.03,54.19 77.07,53.16 77.09,53.18 80.31,53.18 ; 80.31,53.18 80.31,52.19 ; 91.04,52.21 91.04,53.2 ; 91.04,53.2 91.02,53.18 87.53,53.18 ; 91.04,53.2 94.5,53.2 94.51,53.22 ; 87.53,53.18 87.53,52.19 ; 94.51,53.22 96.28,54.98 96.28,57.3 94.72,58.86 92.54,58.86 92.54,61.07 U1004.1 92.27,61.39 93.94,61.39 93.97,61.42 ; 93.97,61.42 95.55,61.42 96.92,62.78 J3.8 ; 93.97,61.42 95.53,61.42 J3.7 ; 93.97,61.42 95.56,61.42 96.91,62.77 J3.9
/5V_SENSOR_2: length 34.5
  Top w0.254: 84.3,61.41 84.33,61.43
  Top w0.406: 84.33,61.43 v1(85.64,61.43) ; U1005.1 84.3,61.41
  Bottom w0.406: J3.4 97.2,72.94 94.66,70.4 ; 94.63,70.44 94.78,70.44 97.35,67.86 J3.6 ; 94.66,70.4 J3.5 ; 94.66,70.4 92.27,68.01 92.27,64.32 90.93,62.98 87.18,62.98 v1(85.64,61.43)
/12V_MR: length 157.1
  Top w0.762: D101.1 17.18,13.88 15.75,12.45 15.75,8.71 v1(13.76,6.72) ; D104.1 2.9,1.82 J5.32 ; D103.1 1.85,13.92 v4(1.85,16.12) ; v1(8.3,9.65) 8.3,10.68 D102.1
  Top w2.032: 15.38,75.47 18.23,72.62 24.75,72.62 ; 15.38,75.47 C17.1 13.06,75.46 v5(9.04,75.46) ; 15.38,75.47 16.78,75.47 17.18,75.87 29.24,75.87 32.73,72.39 35.81,72.39
  Bottom w0.762: J5.32 10.58,1.82 13.76,5 v1(13.76,6.72) 13.75,6.73 11.22,6.73 v1(8.3,9.65)
  Bottom w2.023: J5.32 3.91,1.82 1.82,3.91 1.82,48.08
  Bottom w2.032: v5(9.04,75.46) 9.03,75.48 4.81,75.48 1.84,72.51 1.84,48.08
/12V_PROT: length 98.8
  Top w0.406: 49.01,56.86 49.01,55.7 48.89,55.57
  Top w1.016: 93.19,78 86.77,71.59 86.77,68.93 ; U1005.7 81.27,55.74 v1(85.81,55.74) ; 51.06,56.71 51.06,57.1 v2(52.44,58.49) ; v1(95.33,55.75) 95.32,55.74 91.04,55.74 U1004.7 ; 86.77,68.93 86.77,55.75 v1(86.78,55.74) ; 86.77,68.93 93.17,75.33
  Top w1.27: L1002.1 45.97,56.96 45.97,56.08 46.47,55.57 50.06,55.57 D903.1
  In2.Cu w1.016: v2(52.44,58.49) 73.78,58.49 76.57,55.7 76.62,55.74 85.81,55.74 v1(85.81,55.74) 85.82,55.74 v1(86.78,55.74) 95.32,55.74 v1(95.33,55.75) 95.32,55.74 ; 82.48,55.72 82.45,55.74 81.24,55.74 81.25,55.73 81.26,55.73
/12V_RAW: length 37.5
  Top w0.254: D1001.1 61.19,53.41 63.12,55.34 67.2,55.34 68.18,54.36 70.86,54.36 R1503.1
  Top w2.032: D903.2 58.49,56.71 58.82,57.05 58.82,57.12 ; J6.10 68.1,60.18 65.04,57.12 58.82,57.12 ; 58.82,57.12 D1001.1
/AV1: length 10.7
  Top w0.254: J3.30 97.7,8.64 97.7,9.59 94.32,12.97 93.39,12.97 93.42,13 93.42,14.37 RN701.1
/AV2: length 8.9
  Top w0.254: J3.29 98.26,10.62 98.26,11.34 94.87,14.73 94.87,14.73 94.33,15.26 RN701.2
/AV3: length 7.9
  Top w0.254: RN701.3 93.34,16.04 94.78,16.04 94.88,16.15 94.88,16.13 99.03,11.98 J3.28
/AV4: length 9
  Top w0.254: RN701.4 93.51,17.06 93.51,18.32 95.26,18.32 99.06,14.52 J3.27
/AV5: length 6.9
  Top w0.254: J3.26 95.57,20.93 95.57,22.12 RN801.1
/AV6: length 8.1
  Top w0.254: 94.49,20.96 94.49,21.76 95.06,22.33 95.06,22.82 95.33,23.09 RN801.2 96.14,23.09 99.43,19.8 J3.25
/AV7: length 7.1
  Top w0.254: 94.78,25.93 94.78,24.44 95.33,23.89 RN801.3 97.69,23.89 J3.24
/AV8: length 5.1
  Top w0.254: J3.23 99.43,24.69 RN801.4 95.73,25.83 95.84,25.93 95.73,25.82
/AV9: length 15.2
  Top w0.254: J3.22 98.13,28.53 95.11,28.53 93.64,30 ; 93.64,30 93.64,34.53 ; 93.64,30 91.65,28.02 ; RN901.1 93.64,34.52
/AV10: length 10.4
  Top w0.254: RN901.2 93.25,35.99 94.31,34.93 94.31,32.56 97.11,29.76 J3.21
/AV11: length 10
  Top w0.254: RN901.3 93.2,36.79 94.81,35.19 94.81,33.27 95.6,32.47 96.24,33.12 98.62,33.12 J3.20
/mcu/5V_SENSOR_1_PG: length 118.8
  Top w0.254: U1004.4 88.2,61.13 v1(88.2,59.51) ; 58.64,8.05 62.81,3.88 67.93,3.88 68.83,2.99 70.6,2.99 v1(71.11,2.48) ; 58.64,8.05 U1501.9 ; 58.64,8.05 58.72,8.05 59.47,8.79
  Bottom w0.254: v1(88.2,59.51) 89.48,58.24 97.36,58.24 97.96,58.83 99.9,58.83 100.69,58.04 100.69,3.65 100.16,3.12 78.48,3.12 77.84,2.48 v1(71.11,2.48)
/mcu/5V_SENSOR_2_PG: length 134.2
  Top w0.254: 61.4,4.58 56.26,9.71 U1501.8 ; 61.4,4.58 62.51,3.46 66.96,3.46 67.94,2.48 70.1,2.48 v1(70.22,2.36) ; 61.4,4.58 61.4,4.53 60.98,4.11 ; v1(78.35,59.75) 78.35,61.05 U1005.4
  Bottom w0.254: v1(78.35,59.75) 78.88,60.28 93.34,60.28 94.71,61.65 99.62,61.65 101.1,60.18 101.1,4.29 101.1,1.8 99.81,0.51 72.07,0.51 v1(70.22,2.36)
/mcu/12V_DIVIDED: length 39.2
  Top w0.254: R1503.2 71.22,53.07 71.22,51.89 70.67,51.33 70.67,50.19 71.24,50.19 71.49,49.94 71.49,47.41 v1(70.44,46.36) 70.29,46.21 70.29,44.32 ; U1501.43 69.28,29.69 70.63,29.69 v1(70.99,30.04)
  Bottom w0.254: v1(70.99,30.04) 68.95,30.04 68.19,30.8 68.19,35.36 69.28,36.45 69.28,45.2 v1(70.44,46.36)
/mcu/AV1: length 18.9
  Top w0.254: 77.87,11.5 77.87,11.98 R5.2 ; 77.08,12.77 75.3,10.99 67.72,10.99 U1501.26
/mcu/AV2: length 29.7
  Top w0.254: 83.94,13.76 v1(83.94,14.55) 83.96,14.57 83.96,15.56 ; v1(61.84,17.6) 61.84,17.58 U1501.27
  Bottom w0.254: v1(61.84,17.6) 62.86,16.58 66.16,16.58 66.41,16.33 66.41,15 68.89,12.52 68.95,12.52 69.21,12.26 74.07,12.26 74.57,12.77 75.05,12.77 75.28,12.54 81.93,12.54 v1(83.94,14.55)
/mcu/AV3: length 23.5
  Top w0.254: U1501.28 68.73,11.4 75.13,11.4 76.32,12.58 76.32,15.06 76.57,15.31 76.57,15.82 75.07,17.32 75.07,19.63
/mcu/AV4: length 20.2
  Top w0.254: U1501.29 67.81,13.02 v1(69.72,13.02) ; v1(77.84,17.34) 77.74,17.45 77.08,17.45 77.08,18.51
  Bottom w0.254: v1(77.84,17.34) 76.57,16.07 76.32,16.07 74.8,14.55 74.8,13.79 73.78,12.77 70.48,12.77 70.22,13.02 v1(69.72,13.02)
/mcu/AV5: length 16.9
  Top w0.254: v1(78.33,21.84) 78.37,21.88 79.25,21.88 79.3,21.93 79.3,23.03 ; v1(68.7,18.61) 68.2,18.11 66.26,18.11 U1501.34
  Bottom w0.254: v1(78.33,21.84) 78.3,21.86 74.49,21.86 71.24,18.61 v1(68.7,18.61)
/mcu/AV6: length 25.8
  Top w0.254: v1(68.45,19.37) 67.68,18.61 66.46,18.61 U1501.35 ; v1(85.37,22.54) 86.17,21.75 87.78,21.75 86.62,21.75 86.6,21.76
  Bottom w0.254: v1(68.45,19.37) 70.86,19.37 74.53,23.05 84.87,23.05 v1(85.37,22.54)
/mcu/AV7: length 14.9
  Top w0.254: U1501.36 67.69,21.15 68.7,21.15 70.73,23.18 72,23.18 74.13,25.31 R15.2 77.64,25.33 77.64,26.39
/mcu/AV8: length 17.8
  Top w0.254: U1501.37 66.83,21.66 68.45,21.66 70.48,23.69 71.75,23.69 77.21,29.16 78.88,29.16 79.1,28.94 80.24,28.94 80.41,28.77
